# Altium PCB PCB2.PcbDoc (part 2 of 3)
Units mm, origin at the board's own origin, x right, y up, seen from the top; angles counter-clockwise.
Board outline 240 x 180 mm, 2 copper layers (Top Layer, Bottom Layer); 208 components, 303 nets, 999 pads, 430 vias.
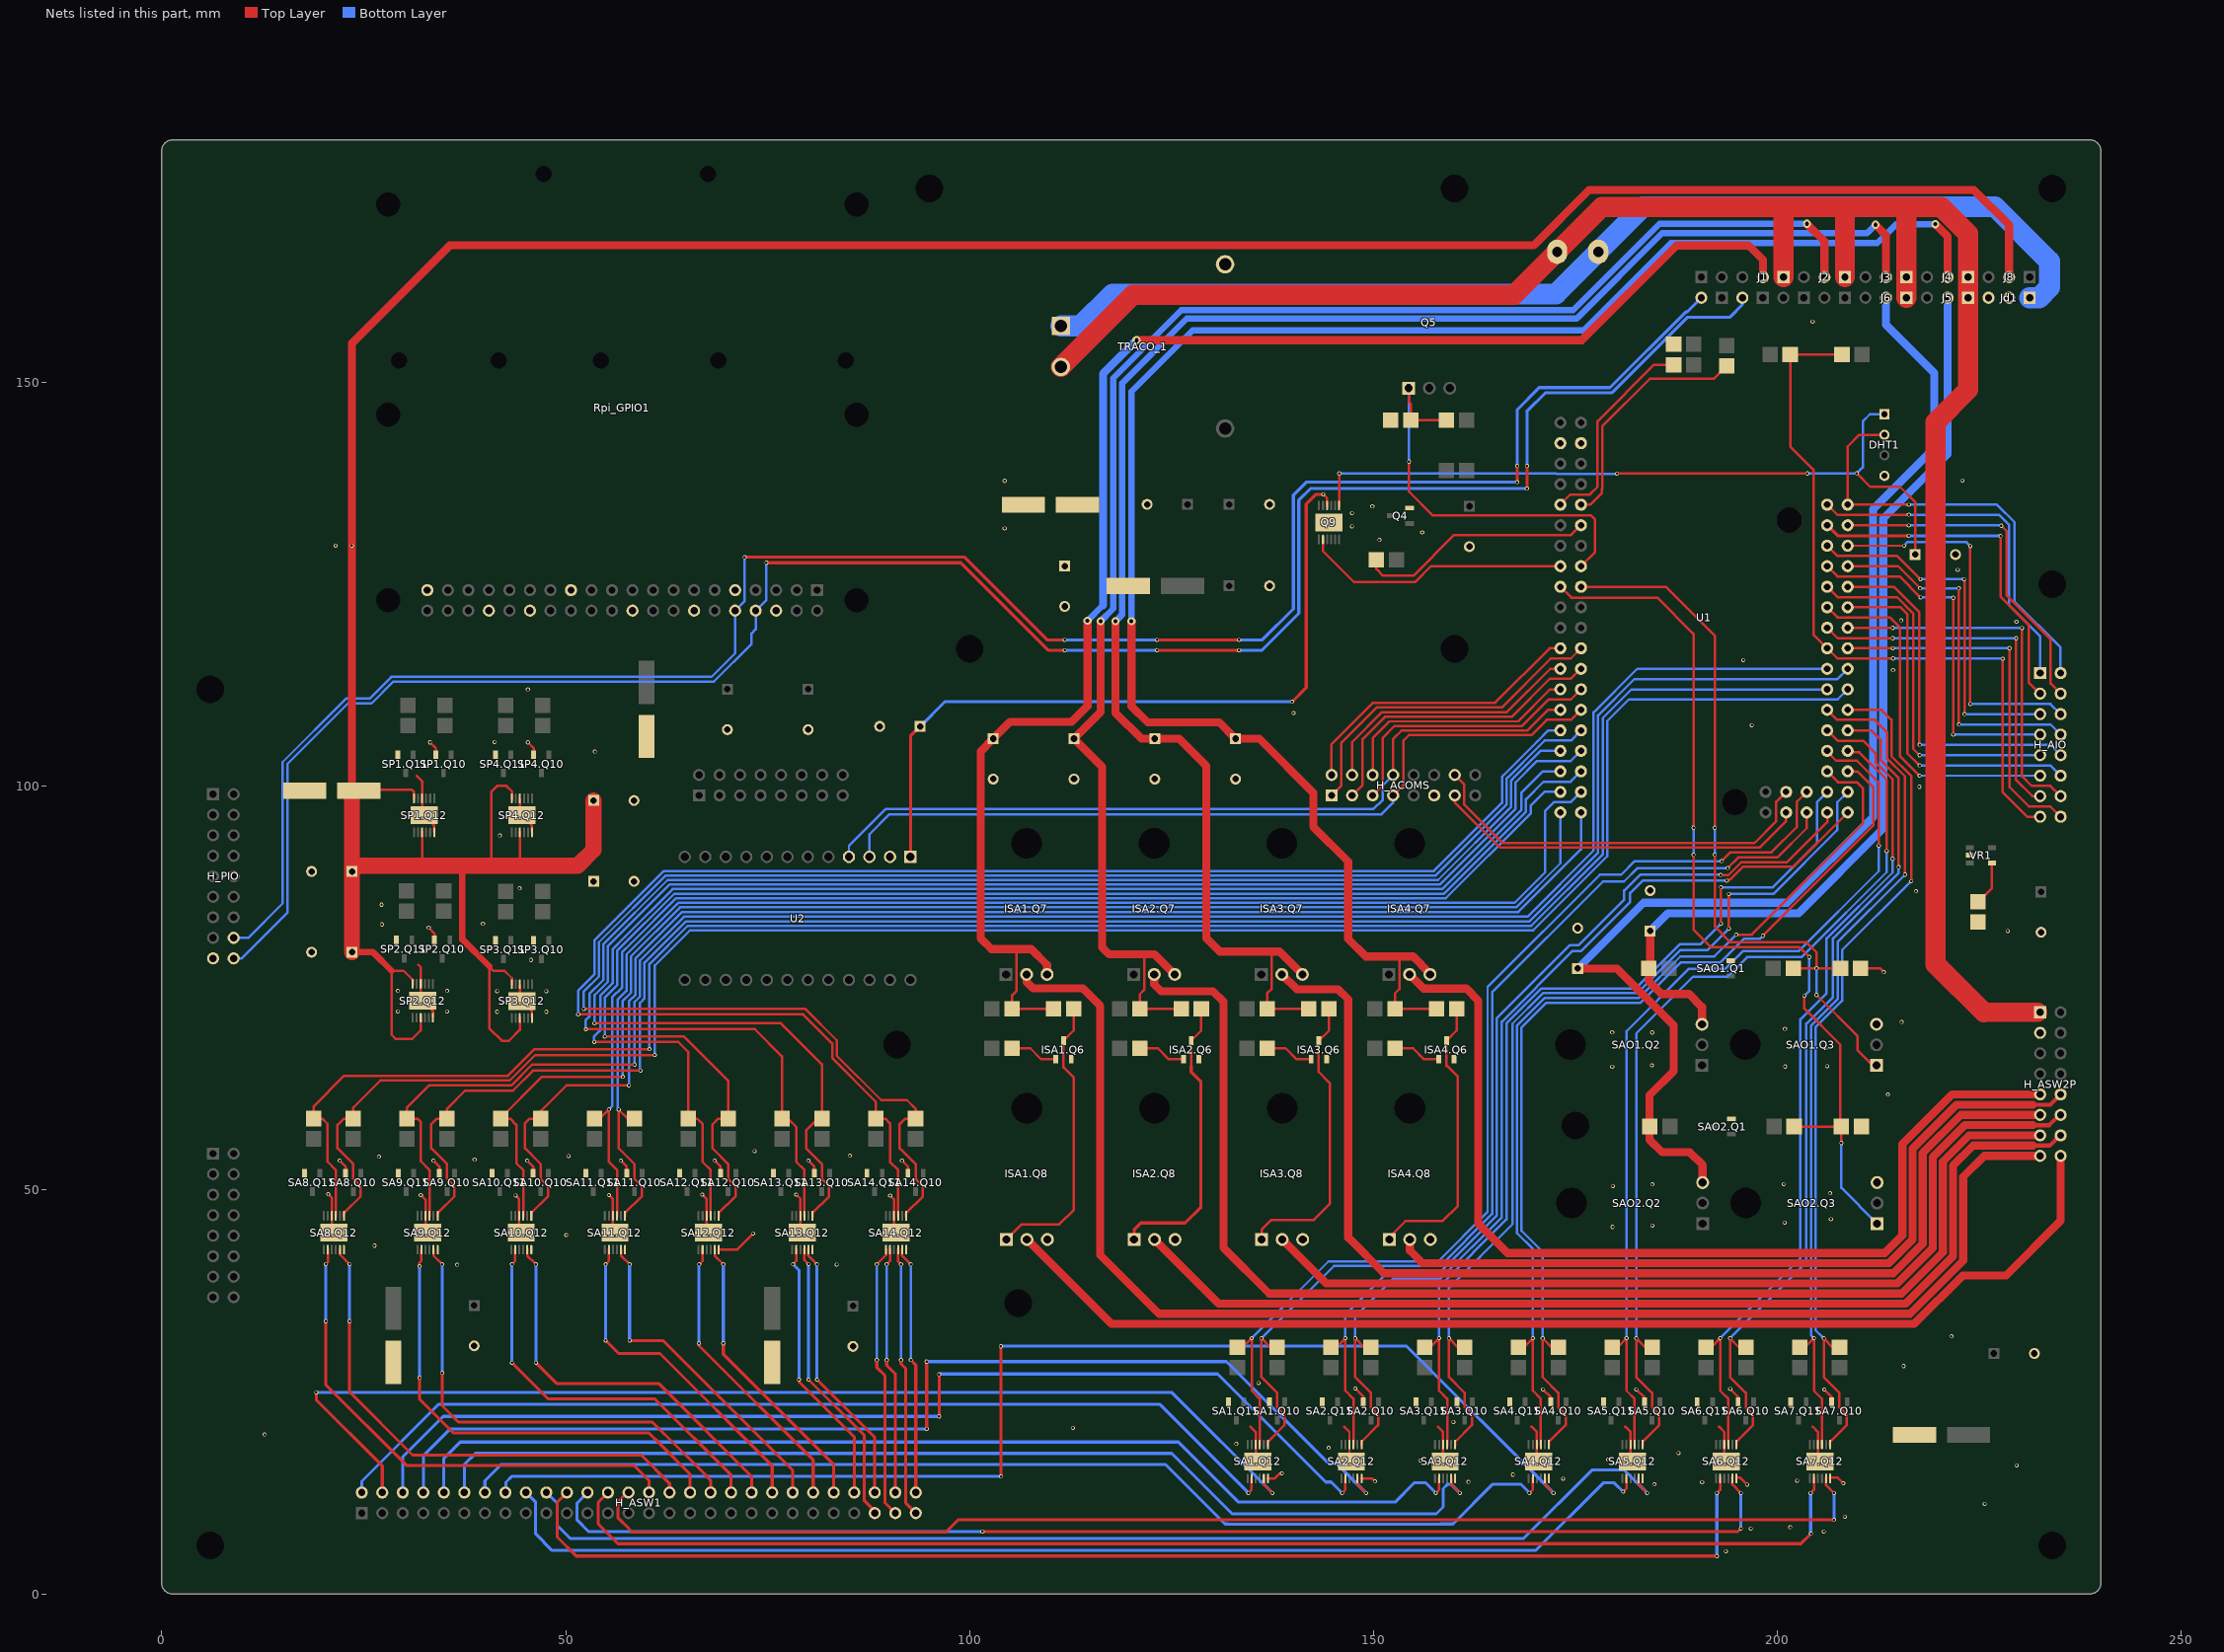
[diagram p2: the nets of this part, all layers, seen from the top]

## Via types
v1: diameter 0.5, hole 0.3, Top Layer to Bottom Layer, 422 vias
v2: diameter 1, hole 0.5, Top Layer to Bottom Layer, 8 vias

## Nets (pads, with @x,y where several pads share a name; then routed paths per layer and width w, separated by ;. In a path a pad name is that pad's centre, name@x,y a point inside that pad or via, vN(x,y) a via of type N, cw(c..) or ccw(c..) an arc to the next point about the centre after c; other vN are vias at no path point) (continued)
5V_HS_26: H_ASW1.51 SA13.Q12.10 | length 36.3
  Top Layer w0.305: SA13.Q12.10@79.54,42.71 79.54,41.34 v1(80.05,40.83)
  Top Layer w0.381: v1(80.05,26.52) 86.96,19.61 86.96,11.51 88.25,10.22 H_ASW1.51@88.25,10
  Bottom Layer w0.381: v1(80.05,26.52) v1(80.05,40.83)
5V_HS_27: H_ASW1.53 SA14.Q12.7 | length 34.1
  Top Layer w0.305: v1(88.504,40.81) 89.64,41.946 SA14.Q12.7@89.64,42.71
  Top Layer w0.381: v1(88.504,28.94) 88.504,28.026 89.51,27.02 89.51,11.28 H_ASW1.53@90.79,10
  Bottom Layer w0.305: v1(88.504,28.94) v1(88.504,40.81)
5V_HS_28: H_ASW1.55 SA14.Q12.10 | length 33.6
  Top Layer w0.305: SA14.Q12.10@91.14,42.71 91.14,41.174 v1(91.504,40.81)
  Top Layer w0.381: v1(91.504,28.94) 91.504,28.466 92.1,27.87 92.1,11.23 H_ASW1.55@93.33,10
  Bottom Layer w0.305: v1(91.504,28.94) v1(91.504,40.81)
5V_LS_1: H_ASW1.2 SA1.Q12.8 | length 121.7
  Top Layer w0.305: v1(134.496,12.483) 134.904,12.891 SA1.Q12.8@134.904,14.383
  Bottom Layer w0.381: H_ASW1.2@24.75,12.54 24.75,13.94 34.29,23.48 37.21,23.48 101.096,23.48 123.499,23.48 v1(134.496,12.483)
5V_LS_2: H_ASW1.4 SA1.Q12.11 | length 141.6
  Top Layer w0.305: SA1.Q12.11@136.404,14.383 136.404,13.547 v1(137.468,12.483)
  Top Layer w0.381: v1(19.12,24.95) 19.12,24.02 27.29,15.85 H_ASW1.4@27.29,12.54
  Bottom Layer w0.381: v1(19.12,24.95) 125.001,24.95 v1(137.468,12.483)
5V_LS_3: H_ASW1.6 SA2.Q12.8 | length 136.2
  Top Layer w0.305: v1(146.096,12.483) 146.504,12.891 SA2.Q12.8@146.504,14.383
  Top Layer w0.381: v1@96.216,21.94 96.216,27.166 v1(96.23,27.18)
  Bottom Layer w0.381: H_ASW1.6@29.83,12.54 29.83,16.97 34.83,21.97 v1(96.21,21.97) v1@96.216,21.94 ; v1(96.23,27.18) 96.277,27.227 130.683,27.227 144.07,13.84 144.739,13.84 v1(146.096,12.483)
5V_LS_4: H_ASW1.8 SA2.Q12.11 | length 140.1
  Top Layer w0.305: SA2.Q12.11@148.004,14.383 148.004,13.547 v1(149.068,12.483)
  Top Layer w0.381: v1@94.67,20.37 v1(94.67,28.753)
  Bottom Layer w0.381: H_ASW1.8@32.37,12.54 32.37,17.09 35.708,20.428 v1(94.68,20.428) ; v1@94.67,28.753 131.006,28.753 131.797,28.753 144.402,16.148 145.402,16.148 v1(149.068,12.483)
5V_LS_5: H_ASW1.10 SA3.Q12.8 | length 134.5
  Top Layer w0.305: v1(157.696,12.483) 158.104,12.891 SA3.Q12.8@158.104,14.383
  Bottom Layer w0.381: H_ASW1.10@34.91,12.54 34.91,16.76 36.94,18.79 125.84,18.79 133.28,11.35 152.65,11.35 155.07,13.77 156.409,13.77 v1(157.696,12.483)
5V_LS_6: H_ASW1.12 SA3.Q12.11 | length 136
  Top Layer w0.305: SA3.Q12.11@159.604,14.383 159.604,13.547 v1(160.668,12.483)
  Bottom Layer w0.381: H_ASW1.12@37.45,12.54 37.45,16.02 38.817,17.387 125.003,17.387 132.48,9.91 151.742,9.91 157.75,9.91 158.604,10.764 158.604,13.02 159.131,13.547 159.604,13.547 v1(160.668,12.483)
5V_LS_7: H_ASW1.14 SA4.Q12.8 | length 139.2
  Top Layer w0.305: v1(169.296,12.483) 169.704,12.891 SA4.Q12.8@169.704,14.383
  Bottom Layer w0.381: H_ASW1.14@39.99,12.54 39.99,14 42,16.01 124.242,16.01 131.607,8.645 131.949,8.645 131.954,8.64 158.276,8.64 158.281,8.645 159.835,8.645 164.77,13.58 168.199,13.58 v1(169.296,12.483)
5V_LS_8: H_ASW1.16 SA4.Q12.11 | length 157.3
  Top Layer w0.305: SA4.Q12.11@171.204,14.383 171.204,13.547 v1(172.268,12.483)
  Top Layer w0.381: v1(103.86,30.64) 103.86,14.65 103.89,14.62 v1(103.89,14.53)
  Bottom Layer w0.381: H_ASW1.16@42.53,12.54 42.6,12.61 42.6,13.82 43.31,14.53 v1(103.89,14.53) ; v1(103.86,30.64) 103.88,30.66 154.091,30.66 v1(172.268,12.483)
5V_LS_9: H_ASW1.18 SA5.Q12.8 | length 146.9
  Top Layer w0.305: v1(180.89,12.65) 181.304,13.064 SA5.Q12.8@181.304,14.383
  Bottom Layer w0.381: H_ASW1.18@45.07,12.54 46.27,11.34 46.27,7.408 48.318,5.36 49.23,5.36 170.04,5.36 178.42,13.74 179.8,13.74 v1(180.89,12.65)
5V_LS_10: H_ASW1.20 SA5.Q12.11 | length 147.3
  Top Layer w0.305: SA5.Q12.11@182.804,14.383 182.804,13.547 v1(183.868,12.483)
  Bottom Layer w0.381: H_ASW1.20@47.61,12.54 48.94,11.21 48.94,8.45 50.55,6.84 168.55,6.84 177.03,15.32 181.031,15.32 v1(183.868,12.483)
5V_LS_11: H_ASW1.22 SA6.Q12.8 | length 160.4
  Top Layer w0.305: v1(192.496,12.483) 192.904,12.891 SA6.Q12.8@192.904,14.383
  Top Layer w0.381: H_ASW1.22@50.15,12.54 48.94,11.33 48.94,7.03 51.29,4.68 v1(192.51,4.68)
  Bottom Layer w0.381: v1(192.496,12.483) 192.496,4.704 v1@192.51,4.69
5V_LS_12: H_ASW1.24 SA6.Q12.11 | length 155.5
  Top Layer w0.305: SA6.Q12.11@194.404,14.383 194.404,13.547 v1(195.468,12.483)
  Top Layer w0.381: v1(101.58,7.71) 195.08,7.71 v1(195.47,8.1)
  Bottom Layer w0.381: H_ASW1.24@52.69,12.54 51.4,11.25 51.4,9.13 52.82,7.71 v1(101.58,7.71) ; v1(195.468,12.483) 195.47,12.481 v1(195.47,8.1)
5V_LS_13: H_ASW1.26 SA7.Q12.8 | length 163.2
  Top Layer w0.305: v1(204.096,12.483) 204.504,12.891 SA7.Q12.8@204.504,14.383
  Top Layer w0.381: H_ASW1.26@55.23,12.54 54.01,11.32 54.01,8.66 56.47,6.2 98.498,6.2 202.89,6.2 v1(204.13,7.44)
  Bottom Layer w0.381: v1(204.096,12.483) 204.096,7.474 v1(204.13,7.44)
5V_LS_14: H_ASW1.28 SA7.Q12.11 | length 161.3
  Top Layer w0.305: SA7.Q12.11@206.004,14.383 206.004,13.463 v1(206.984,12.483)
  Top Layer w0.381: H_ASW1.28@57.77,12.54 57.63,12.54 56.44,11.35 56.44,9.44 57.86,8.02 57.86,8 58.227,7.633 97.031,7.633 98.553,9.155 v1(206.99,9.155)
  Bottom Layer w0.381: v1(206.984,12.483) 206.99,12.477 v1(206.99,9.155)
5V_LS_15: H_ASW1.30 SA8.Q12.8 | length 63.3
  Top Layer w0.305: v1(20.3,40.83) 20.54,41.07 SA8.Q12.8@20.54,42.71
  Top Layer w0.381: v1(20.3,33.76) 20.3,25.9 30.325,15.875 58.475,15.875 60.31,14.04 H_ASW1.30@60.31,12.54
  Bottom Layer w0.381: v1(20.3,33.76) v1(20.3,40.83)
5V_LS_16: H_ASW1.32 SA8.Q12.11 | length 63.7
  Top Layer w0.305: SA8.Q12.11@22.04,42.71 22.04,42.02 v1(23.24,40.82)
  Top Layer w0.381: v1(23.24,33.76) 23.24,24.99 31.05,17.18 59.35,17.18 62.85,13.68 H_ASW1.32@62.85,12.54
  Bottom Layer w0.305: v1(23.24,40.82) v1@23.29,40.77
  Bottom Layer w0.381: v1(23.24,33.76) v1(23.24,40.82)
5V_LS_17: H_ASW1.34 SA9.Q12.8 | length 58.3
  Top Layer w0.305: v1(31.9,40.56) 31.9,40.978 32.14,41.218 SA9.Q12.8@32.14,42.71
  Top Layer w0.381: v1(31.92,26.74) 31.92,24.08 36.06,19.94 60.254,19.94 61.729,18.465 61.747,18.465 65.39,14.822 H_ASW1.34@65.39,12.54
  Bottom Layer w0.381: v1(31.9,40.56) 31.92,40.54 v1(31.92,26.74)
5V_LS_18: H_ASW1.36 SA9.Q12.11 | length 58.4
  Top Layer w0.305: SA9.Q12.11@33.64,42.71 33.64,41.874 v1(34.704,40.81)
  Top Layer w0.381: v1(34.704,27.356) 34.704,23.274 36.708,21.27 60.72,21.27 62.255,19.735 62.273,19.735 67.285,14.723 67.285,14.705 67.93,14.06 H_ASW1.36@67.93,12.54
  Bottom Layer w0.381: v1(34.704,27.356) v1(34.704,40.81)
5V_LS_19: H_ASW1.38 SA10.Q12.8 | length 49.3
  Top Layer w0.305: v1(43.332,40.81) 43.74,41.218 SA10.Q12.8@43.74,42.71
  Top Layer w0.381: v1(43.332,28.61) 47.812,24.13 61.02,24.13 70.47,14.68 H_ASW1.38@70.47,12.54
  Bottom Layer w0.381: v1(43.332,28.61) v1(43.332,40.81)
5V_LS_20: H_ASW1.40 SA10.Q12.11 | length 49.1
  Top Layer w0.305: SA10.Q12.11@45.24,42.71 45.24,41.874 v1(46.304,40.81)
  Top Layer w0.381: v1(46.304,28.61) 48.864,26.05 61.491,26.05 73.01,14.531 H_ASW1.40@73.01,12.54
  Bottom Layer w0.381: v1(46.304,28.61) v1(46.304,40.81)
5V_LS_21: H_ASW1.42 SA11.Q12.8 | length 41.9
  Top Layer w0.305: v1(54.932,40.81) 55.34,41.218 SA11.Q12.8@55.34,42.71
  Top Layer w0.381: v1(54.932,31.36) 56.532,29.76 61.66,29.76 75.55,15.87 H_ASW1.42@75.55,12.54
  Bottom Layer w0.381: v1(54.932,31.36) v1(54.932,40.81)
5V_LS_22: H_ASW1.44 SA11.Q12.11 | length 41.4
  Top Layer w0.305: SA11.Q12.11@56.84,42.71 56.84,41.874 v1(57.904,40.81)
  Top Layer w0.381: v1(57.904,31.36) 62.02,31.36 78.09,15.29 H_ASW1.44@78.09,12.54
  Bottom Layer w0.381: v1(57.904,31.36) v1(57.904,40.81)
5V_LS_23: H_ASW1.46 SA12.Q12.8 | length 36.2
  Top Layer w0.305: v1(66.532,40.81) 66.94,41.218 SA12.Q12.8@66.94,42.71
  Top Layer w0.381: v1(66.48,31.01) 66.48,30.742 80.63,16.592 H_ASW1.46@80.63,12.54
  Bottom Layer w0.381: v1(66.48,31.01) 66.48,40.758 v1(66.532,40.81)
5V_LS_24: H_ASW1.48 SA12.Q12.11 | length 36.3
  Top Layer w0.305: SA12.Q12.11@68.44,42.71 68.44,41.874 v1(69.504,40.81)
  Top Layer w0.381: v1(69.504,31.01) 69.504,29.666 83.17,16 H_ASW1.48@83.17,12.54
  Bottom Layer w0.381: v1(69.504,31.01) v1(69.504,40.81)
5V_LS_25: H_ASW1.50 SA13.Q12.8 | length 33.5
  Top Layer w0.305: v1(78.132,40.81) 78.54,41.218 SA13.Q12.8@78.54,42.71
  Top Layer w0.381: v1(78.88,26.52) 78.88,26.26 85.71,19.43 H_ASW1.50@85.71,12.54
  Bottom Layer w0.381: v1(78.132,40.81) 78.88,40.062 v1(78.88,26.52)
5V_LS_26: H_ASW1.52 SA13.Q12.11 | length 33.6
  Top Layer w0.305: SA13.Q12.11@80.04,42.71 80.04,41.874 v1(81.104,40.81)
  Top Layer w0.381: v1(81.104,26.52) 88.25,19.374 H_ASW1.52@88.25,12.54
  Bottom Layer w0.381: v1(81.104,26.52) v1(81.104,40.81)
5V_LS_27: H_ASW1.54 SA14.Q12.8 | length 30.8
  Top Layer w0.305: v1(89.732,40.81) 90.14,41.218 SA14.Q12.8@90.14,42.71
  Top Layer w0.381: v1(89.732,28.94) 89.732,28.288 90.79,27.23 H_ASW1.54@90.79,12.54
  Bottom Layer w0.305: v1(89.732,28.94) v1(89.732,40.81)
5V_LS_28: H_ASW1.56 SA14.Q12.11 | length 30.9
  Top Layer w0.305: SA14.Q12.11@91.64,42.71 91.64,41.874 v1(92.704,40.81)
  Top Layer w0.381: v1(92.704,28.94) 92.704,28.956 93.33,28.33 H_ASW1.56@93.33,12.54
  Bottom Layer w0.305: v1(92.704,28.94) v1(92.704,40.81)
5V_SW1: SA1.Q12.3 SA1.R12.1 U1.D49 | length 130.8
  Top Layer w0.305: SA1.R12.1@133.133,30.51 133.765,30.51 v1(134.908,31.653) 134.908,25.14 135.904,24.144 SA1.Q12.3@135.904,18.383 ; v1(193.08,90.71) 194.18,91.81 199.26,91.81 202.39,94.94 202.39,98.074 U1.D49@203.606,99.29
  Bottom Layer w0.305: v1(134.908,31.653) 144.405,41.15 157.99,41.15 164.11,47.27 164.11,75.13 178.03,89.05 180.651,89.05 182.311,90.71 v1(193.08,90.71)
5V_SW2: SA1.Q12.1 SA1.R11.1 U1.D48 | length 129.4
  Top Layer w0.305: SA1.Q12.1@136.904,18.383 136.904,18.819 138.968,20.883 138.968,22.183 138.068,23.083 138.068,24.88 136.12,26.828 v1(136.12,31.63) 137.24,30.51 SA1.R11.1@138.068,30.51 ; v1(193.83,89.86) 195.13,91.16 199.97,91.16 203.606,94.796 U1.D48@203.606,96.75
  Bottom Layer w0.305: v1(136.12,31.63) 145.081,40.591 158.221,40.591 164.669,47.039 164.669,74.487 178.382,88.2 181.003,88.2 182.663,89.86 v1(193.83,89.86)
5V_SW3: SA2.Q12.3 SA2.R12.1 U1.D47 | length 119.9
  Top Layer w0.305: SA2.R12.1@144.733,30.51 145.365,30.51 v1(146.508,31.653) 146.508,25.14 147.504,24.144 SA2.Q12.3@147.504,18.383 ; v1@192.987,88.973 193.893,88.973 195.48,90.56 201.15,90.56 206.146,95.556 U1.D47@206.146,96.75
  Bottom Layer w0.305: v1(146.508,31.653) 146.508,34.596 151.944,40.032 158.453,40.032 165.228,46.807 165.228,71.238 174.33,80.34 175.4,80.34 181.03,85.97 181.03,87.067 183.003,89.04 v1@192.95,89.04
  other v1: 192.95,89.01
5V_SW4: SA2.Q12.1 SA2.R11.1 U1.D46 | length 122
  Top Layer w0.305: SA2.Q12.1@148.504,18.383 148.504,18.819 150.568,20.883 150.568,22.183 149.668,23.083 149.668,24.88 147.72,26.828 v1(147.72,31.63) 148.84,30.51 SA2.R11.1@149.668,30.51 ; v1(193.71,88.31) 193.814,88.414 194.125,88.414 195.711,90.001 201.937,90.001 U1.D46@208.686,96.75
  Bottom Layer w0.305: v1(147.72,31.63) 147.72,34.32 152.4,39 158.22,39 165.86,46.64 165.86,70.838 174.632,79.61 175.702,79.61 181.76,85.668 181.76,86.765 183.305,88.31 v1(193.71,88.31)
5V_SW5: SA3.Q12.3 SA3.R12.1 U1.D45 | length 115.5
  Top Layer w0.305: SA3.R12.1@156.333,30.51 156.965,30.51 v1(158.108,31.653) 158.108,25.14 159.104,24.144 SA3.Q12.3@159.104,18.383 ; v1(193,82.99) v1(193,87.47)
  Bottom Layer w0.305: v1(158.108,31.653) 158.108,38.028 166.45,46.37 166.45,70.637 170.733,74.92 182.38,74.92 187.89,80.43 190.44,80.43 v1(193,82.99) ; v1(193,87.47) 199.4,87.47 204.87,92.94 204.87,98.014 U1.D45@206.146,99.29
5V_SW6: SA3.Q12.1 SA3.R11.1 U1.D44 | length 117.8
  Top Layer w0.305: SA3.Q12.1@160.104,18.383 160.104,18.819 162.168,20.883 162.168,22.183 161.268,23.083 161.268,24.88 159.32,26.828 v1(159.32,31.63) 160.44,30.51 SA3.R11.1@161.268,30.51 ; v1(193.97,82.37) 193.98,82.38 v1(193.98,86.66)
  Bottom Layer w0.305: v1(159.32,31.63) 159.32,37.9 167.2,45.78 167.2,70.597 170.964,74.361 182.611,74.361 187.94,79.69 191.29,79.69 v1(193.97,82.37) ; v1(193.98,86.66) 199.5,86.66 207.4,94.56 207.4,98.004 U1.D44@208.686,99.29
5V_SW7: SA4.Q12.3 SA4.R12.1 U1.D43 | length 118.3
  Top Layer w0.305: SA4.R12.1@167.933,30.51 168.565,30.51 v1(169.708,31.653) 169.708,25.14 170.704,24.144 SA4.Q12.3@170.704,18.383 ; v1(194.88,81.61) 196.801,81.61 210.6,95.409 210.6,99.7 209.8,100.5 207.476,100.5 U1.D43@206.146,101.83
  Bottom Layer w0.305: v1(169.708,31.653) 169.708,42.692 167.76,44.64 167.76,70.367 171.196,73.802 182.843,73.802 183.071,74.03 183.09,74.03 187.966,78.906 192.176,78.906 v1(194.88,81.61)
5V_SW8: SA4.Q12.1 SA4.R11.1 U1.D42 | length 119.9
  Top Layer w0.305: SA4.Q12.1@171.704,18.383 171.704,18.819 173.768,20.883 173.768,22.183 172.868,23.083 172.868,24.88 170.92,26.828 v1(170.92,31.63) 172.04,30.51 SA4.R11.1@172.868,30.51 ; v1(198.19,81.48) 198.19,81.52 199.4,82.73 211.88,95.21 211.88,99.83 209.88,101.83 U1.D42@208.686,101.83
  Bottom Layer w0.305: v1(170.92,31.63) 170.92,42.34 168.319,44.941 168.319,70.135 171.333,73.15 183,73.15 188.006,78.156 192.886,78.156 195.86,81.13 197.84,81.13 v1(198.19,81.48)
5V_SW9: SA5.Q12.3 SA5.R12.1 U1.D41 | length 112.4
  Top Layer w0.305: SA5.R12.1@179.533,30.51 180.165,30.51 v1(181.308,31.653) 181.308,25.14 182.304,24.144 SA5.Q12.3@182.304,18.383 ; U1.D41@206.146,104.37 206.146,104.274 207.26,103.16 209.83,103.16 212.53,100.46 v1(212.53,92.63)
  Bottom Layer w0.305: v1(181.308,31.653) 181.308,69.678 189,77.37 193.52,77.37 195.74,79.59 202.64,79.59 212.53,89.48 v1(212.53,92.63)
5V_SW10: SA5.Q12.1 SA5.R11.1 U1.D40 | length 112.5
  Top Layer w0.305: SA5.Q12.1@183.304,18.383 183.304,18.819 185.368,20.883 185.368,22.183 184.468,23.083 184.468,24.88 182.52,26.828 v1(182.52,31.63) 183.64,30.51 SA5.R11.1@184.468,30.51 ; U1.D40@208.686,104.37 208.876,104.18 210.12,104.18 213.51,100.79 v1(213.51,91.97)
  Bottom Layer w0.305: v1(182.52,31.63) 182.52,69.38 189.54,76.4 193.8,76.4 196.24,78.84 202.99,78.84 203.264,79.114 203.264,79.122 203.648,79.506 203.656,79.506 213.51,89.36 v1(213.51,91.97)
5V_SW11: SA6.Q12.3 SA6.R12.1 U1.D39 | length 105.2
  Top Layer w0.305: SA6.R12.1@191.133,30.51 191.765,30.51 v1(192.908,31.653) 192.908,25.14 193.904,24.144 SA6.Q12.3@193.904,18.383 ; U1.D39@206.146,106.91 207.436,105.62 210.58,105.62 212.14,104.06 212.14,102.95 214.24,100.85 v1(214.24,91.01)
  Bottom Layer w0.305: v1(192.908,31.653) 202.83,41.575 202.83,71.13 206.08,74.38 206.08,81.14 214.24,89.3 v1(214.24,91.01)
5V_SW12: SA6.Q12.1 SA6.R11.1 U1.D38 | length 105.9
  Top Layer w0.305: SA6.Q12.1@194.904,18.383 194.904,18.819 196.968,20.883 196.968,22.183 196.068,23.083 196.068,24.88 194.12,26.828 v1(194.12,31.63) 195.24,30.51 SA6.R11.1@196.068,30.51 ; U1.D38@208.686,106.91 211.59,106.91 212.8,105.7 212.8,103.2 214.99,101.01 v1(214.99,89.98)
  Bottom Layer w0.305: v1(194.12,31.63) 201.845,39.355 203.56,41.07 203.56,70.57 206.87,73.88 206.87,81.139 214.99,89.259 v1(214.99,89.98)
5V_SW13: SA7.Q12.3 SA7.R12.1 U1.D37 | length 105.4
  Top Layer w0.305: SA7.R12.1@202.733,30.51 203.365,30.51 v1(204.508,31.653) 204.508,25.14 205.504,24.144 SA7.Q12.3@205.504,18.383 ; U1.D37@206.146,109.45 207.386,108.21 212.03,108.21 213.551,106.689 213.551,103.439 215.78,101.21 v1(215.78,89.05)
  Bottom Layer w0.305: v1(204.508,31.653) 204.13,32.031 204.13,70.35 207.429,73.649 207.429,80.699 v1(215.78,89.05)
5V_SW14: SA7.Q12.1 SA7.R11.1 U1.D36 | length 106.6
  Top Layer w0.305: SA7.Q12.1@206.504,18.383 206.504,18.819 208.568,20.883 208.568,22.183 207.668,23.083 207.668,24.88 205.72,26.828 v1(205.72,31.63) 206.84,30.51 SA7.R11.1@207.668,30.51 ; U1.D36@208.686,109.45 212.87,109.45 214.11,108.21 214.11,103.71 216.54,101.28 v1(216.54,88.25)
  Bottom Layer w0.305: v1(205.72,31.63) 204.689,32.661 204.689,70.118 207.988,73.417 207.988,79.698 v1(216.54,88.25)
5V_SW15: SA8.Q12.3 SA8.R12.1 U1.D35 | length 240.2
  Top Layer w0.305: SA8.Q12.3@21.54,46.71 21.54,52.471 20.51,53.501 20.51,58.2 19.873,58.837 SA8.R12.1@18.769,58.837 18.769,60.329 22.57,64.13 42.851,64.13 46.161,67.44 v1(60.37,67.44)
  Bottom Layer w0.305: v1(60.37,67.44) 60.37,77.969 65.104,82.704 169.514,82.704 178.349,91.539 178.349,108.419 181.92,111.99 U1.D35@206.146,111.99
5V_SW16: SA8.Q12.1 SA8.R11.1 U1.D34 | length 240.1
  Top Layer w0.305: SA8.Q12.1@22.54,46.71 22.54,47.146 24.604,49.21 24.604,50.51 23.704,51.41 23.704,53.207 21.756,55.155 21.756,58.056 22.537,58.837 SA8.R11.1@22.876,58.837 ; SA8.R11.1@23.704,58.837 SA8.R11.1@22.876,58.837 ; v1(61.026,66.72) 46.231,66.72 43.082,63.571 27.061,63.571 23.704,60.214 23.704,59.665 SA8.R11.1@22.876,58.837
  Bottom Layer w0.305: v1(61.026,66.72) 61.026,77.806 65.365,82.145 99.66,82.145 169.745,82.145 178.908,91.307 178.908,108.048 181.6,110.74 207.436,110.74 U1.D34@208.686,111.99
5V_SW17: SA9.Q12.3 SA9.R12.1 U1.D33 | length 230.8
  Top Layer w0.305: SA9.Q12.3@33.14,46.71 33.14,52.471 32.06,53.551 32.06,58.41 31.633,58.837 SA9.R12.1@30.369,58.837 30.369,60.239 33.07,62.94 43.241,62.94 45.831,65.53 v1(58.52,65.53)
  Bottom Layer w0.305: v1(58.52,65.53) 58.52,73.289 59.195,73.964 59.195,78.416 64.629,83.85 169.039,83.85 177.231,92.043 177.231,109.131 182.63,114.53 U1.D33@206.146,114.53
5V_SW18: SA9.Q12.1 SA9.R11.1 U1.D32 | length 230.4
  Top Layer w0.305: SA9.Q12.1@34.14,46.71 34.14,47.146 36.204,49.21 36.204,50.51 35.304,51.41 35.304,53.207 33.356,55.155 33.356,58.166 34.027,58.837 SA9.R11.1@35.304,58.837 35.304,60.044 37.546,62.286 43.458,62.286 45.951,64.78 v1(59.25,64.78)
  Bottom Layer w0.305: v1(59.25,64.78) 59.176,64.854 59.176,73.155 59.754,73.733 59.754,78.155 64.87,83.27 169.279,83.27 177.79,91.781 177.79,108.76 182.29,113.26 207.416,113.26 U1.D32@208.686,114.53
5V_SW19: SA10.Q12.3 SA10.R12.1 U1.D31 | length 172.7
  Top Layer w0.305: SA10.R12.1@41.933,58.873 47.07,64.01 v1(57.07,64.01) ; SA10.R12.1@41.969,58.837 SA10.R12.1@42.601,58.837 ; SA10.R12.1@42.649,58.79 SA10.R12.1@42.601,58.837 ; SA10.Q12.3@44.74,46.71 44.74,52.471 43.9,53.311 43.9,58.07 43.133,58.837 SA10.R12.1@42.601,58.837
  Bottom Layer w0.305: v1(57.07,64.01) 57.07,73.42 58.078,74.427 58.078,78.926 64.153,85.001 167.671,85.001 173.126,90.456 U1.D31@173.126,96.75
5V_SW20: SA10.Q12.1 SA10.R11.1 U1.D30 | length 172.2
  Top Layer w0.305: SA10.Q12.1@45.74,46.71 45.74,47.146 47.804,49.21 47.804,50.51 46.904,51.41 46.904,53.207 44.956,55.155 44.96,55.159 44.96,58.28 45.517,58.837 SA10.R11.1@46.904,58.837 46.904,59.764 50.08,62.94 v1(57.81,62.94)
  Bottom Layer w0.305: v1(57.81,62.94) 57.81,73.369 58.636,74.196 58.636,78.675 64.39,84.428 167.908,84.428 175.666,92.186 U1.D30@175.666,96.75
5V_SW21: SA11.Q12.3 SA11.R12.1 U1.D29 | length 161
  Top Layer w0.305: SA11.R12.1@53.569,58.837 54.201,58.837 v1(55.344,59.98) 55.344,53.468 56.34,52.471 SA11.Q12.3@56.34,46.71
  Bottom Layer w0.305: v1(55.344,59.98) 55.753,60.39 55.753,73.843 56.96,75.05 56.96,79.408 58.11,80.559 63.684,86.132 158.947,86.132 169.428,96.613 169.428,97.568 171.15,99.29 U1.D29@173.126,99.29
5V_SW22: SA11.Q12.1 SA11.R11.1 U1.D28 | length 168.3
  Top Layer w0.305: SA11.Q12.1@57.34,46.71 57.34,47.146 59.404,49.21 59.404,50.51 58.504,51.41 58.504,53.207 56.556,55.155 v1(56.556,59.957) 57.676,58.837 SA11.R11.1@58.504,58.837
  Bottom Layer w0.305: v1(56.556,59.957) 56.414,60.1 56.414,73.554 57.519,74.659 57.519,79.158 63.921,85.56 167.44,85.56 171.24,89.36 171.24,96.94 172.34,98.04 174.416,98.04 U1.D28@175.666,99.29
5V_SW23: SA12.Q12.3 SA12.R12.1 U1.D27 | length 174.5
  Top Layer w0.305: v1(53.53,68.33) 63.95,68.33 65.169,67.111 SA12.R12.1@65.169,58.837 66.273,58.837 66.96,58.15 66.944,58.134 66.944,53.468 67.94,52.471 SA12.Q12.3@67.94,46.71
  Bottom Layer w0.305: v1@53.52,68.33 53.52,69.03 54.264,69.774 54.264,74.043 55.786,75.566 55.786,75.586 55.79,75.59 55.79,79.819 57.32,81.349 63.221,87.25 158.484,87.25 168.31,97.076 168.31,99.2 170.94,101.83 U1.D27@173.126,101.83
5V_SW24: SA12.Q12.1 SA12.R11.1 U1.D26 | length 178.6
  Top Layer w0.305: v1(54.822,69) 64.64,69 70.1,63.54 SA12.R11.1@70.1,58.837 ; SA12.Q12.1@68.94,46.71 68.94,47.146 71.004,49.21 71.004,50.51 70.104,51.41 70.104,53.207 68.156,55.155 68.16,55.159 68.16,58.11 68.887,58.837 SA12.R11.1@70.1,58.837 ; SA12.R11.1@70.104,58.837 SA12.R11.1@70.1,58.837
  Bottom Layer w0.305: v1(54.822,69) 54.822,73.812 56.345,75.335 56.345,75.355 56.349,75.359 56.349,79.587 63.453,86.691 158.715,86.691 168.869,96.845 168.869,98.389 171.04,100.56 174.396,100.56 U1.D26@175.666,101.83
5V_SW25: SA13.Q12.3 SA13.R12.1 U1.D25 | length 188.8
  Top Layer w0.305: v1(52.49,69.9) 73.42,69.9 76.769,66.551 SA13.R12.1@76.769,58.837 77.486,58.837 78.544,57.78 78.544,53.468 79.54,52.471 SA13.Q12.3@79.54,46.71